# KiCad board iMX6_BareBones.kicad_pcb (continued)
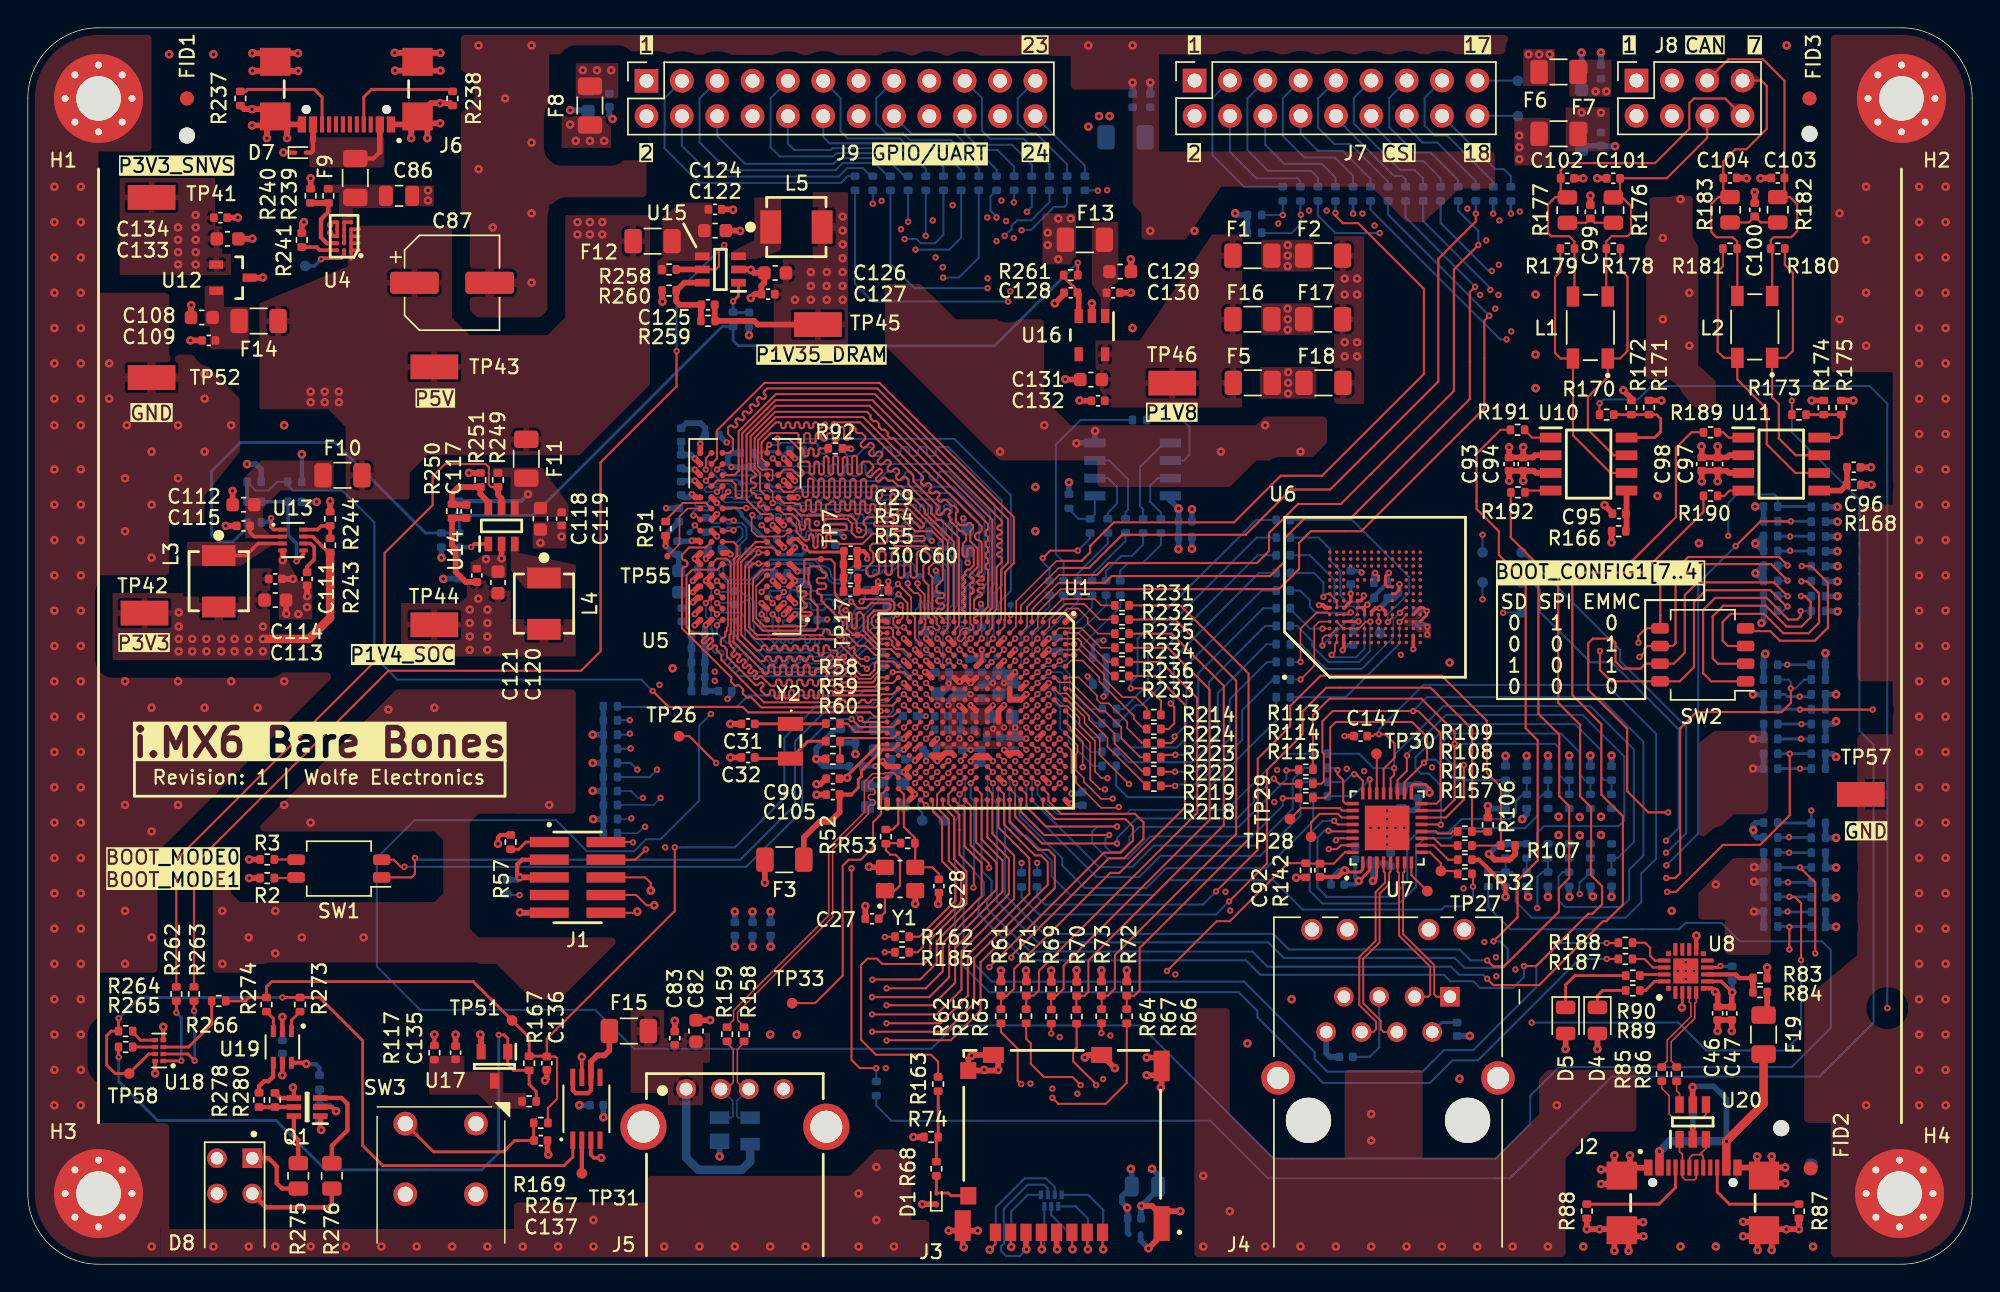
[diagram p0: board, top side]
## Routing (per net, layer and track width the routed paths; a pad name or vN(x,y) marks a point on that pad's centre or on a via; arc(x,y) is an arc through that point) (continued)
/Signal_Map/Ethernet/PHYAD0: length 26.3
  Top w0.143: v1(101.52,31.6) 101.5,31.62 U7.13
  Bottom w0.143: 101.45,31.67 v1(101.52,31.6) 101.52,34.42 100.66,35.28 100.1,35.28 99.69,35.69 99.69,36.42 102.11,38.84 111.15,38.84 113.03,36.96 113.03,35.03 113.26,34.8 R125.2 R124.1
/Signal_Map/Ethernet/PHYAD1: length 23.1
  Top w0.143: v1(103.17,35.89) 103.17,33.4 101.89,32.12 U7.14
  Bottom w0.143: R126.1 R127.2 111.89,34.8 111.51,35.18 111.51,36.8 110.16,38.15 102.23,38.15 101.52,37.44 101.52,36.75 102.39,35.89 v1(103.17,35.89)
/Signal_Map/Ethernet/RJ45_CRD: length 5.8
  Bottom w0.152: C74.1 96.42,14.91 97.09,15.59 97.09,19.23
/Signal_Map/Ethernet/RJ45_CTD: length 2.1
  Bottom w0.203: J4.2 101.58,17.37 C73.1
/Signal_Map/Ethernet/RMII_MDC: length 2.7
  Top w0.143: R109.1 102.39,31.11 102.23,30.96 101.32,30.96 101.16,31.12 U7.12
/Signal_Map/Ethernet/RMII_MDIO: length 2.8
  Top w0.143: U7.11 101.03,30.62 101.55,30.1 R108.1
/Signal_Map/Ethernet/RMII_RXD0/DUPLEX: length 60.1
  Top w0.143: U7.16 101.22,33.12 101.5,33.4 101.5,38.18 99.9,39.78 v1(99.54,39.78) 93.75,39.78 93.01,39.04 93.01,36.8 93.12,36.7 93.12,34.72 92.94,34.54 R114.1
  Bottom w0.143: v1(99.54,39.78) 100.53,40.77 112.88,40.77 116.08,37.57 116.08,29.39 115.06,28.37 115.06,26.24 114.5,25.68 110.44,25.68 109.98,26.14 109.98,27.89 110.29,28.19 R135.2 R134.1
/Signal_Map/Ethernet/RMII_RXD1/PHYAD2: length 34.6
  Top w0.143: R113.1 92.33,39.47 93.52,40.67 100.13,40.67 102.51,38.28 v1(102.51,37.41) 102.51,33.4 101.73,32.62 U7.15
  Bottom w0.143: R128.1 R129.2 110.41,34.8 110.01,35.2 110.01,37.13 109.73,37.41 v1(102.51,37.41)
/Signal_Map/Ethernet/RMII_RXDV/CONFIG2: length 26
  Top w0.143: R115.1 93.22,33.53 93.57,33.88 93.57,38.58 93.98,38.99 99.47,38.99 100.53,37.92 100.53,36.27 v1(100.32,36.06) 98.91,34.65 U7.18
  Bottom w0.152: v1(100.32,36.06) 100.53,36.27 101.14,36.27 102.61,34.8 R123.2 R122.1
/Signal_Map/Ethernet/RMII_RXER/ISO: length 37.8
  Top w0.143: U7.20 97.91,34.92 98.17,35.18 v1(98.17,35.66)
  Bottom w0.143: R116.1 95.66,36.7 96.7,35.66 v1(98.17,35.66) 98.17,36.6 101.7,40.13 112.27,40.13 115.39,37.01 115.39,30.35 114.25,29.21 R130.1 R131.2
/Signal_Map/Ethernet/RMII_TXD0: length 3.9
  Top w0.143: v1(95.3,35.23) 95.45,35.23 95.91,34.77 U7.24
  Bottom w0.143: v1(95.3,35.23) 95.15,35.23 94.59,34.67 R111.1
/Signal_Map/Ethernet/RMII_TXD1: length 4
  Top w0.143: v1(94.11,35.53) 94.11,35.2 94.51,34.8 94.51,33.27 94.67,33.12 U7.25
  Bottom w0.143: v1(94.11,35.53) 93.98,35.66 93.4,35.66 R110.1
/Signal_Map/Ethernet/RMII_TXEN: length 4.5
  Top w0.143: v1(96.42,34.85) 96.41,34.85 U7.23
  Bottom w0.143: v1(96.42,34.85) 95.22,33.66 R112.1
/Signal_Map/Ethernet/~{ENET1_INT}: length 56.7
  Top w0.143: U7.21 97.41,35.61 98.2,36.4 98.2,37.44 97.54,38.1 v1(97.08,38.1) 96.77,38.1 96.65,37.97 C147.1
  Bottom w0.143: R141.2 106.63,28.19 106.91,27.91 106.91,26.06 108.05,24.92 114.81,24.92 115.93,26.03 115.93,28.09 116.99,29.16 116.99,38.13 113.46,41.66 100.28,41.66 97.08,38.46 v1(97.08,38.1) ; R141.2 R140.1 ; R141.2 104.95,28.19 R99.1
/Signal_Map/Ethernet/~{ENET1_RST}: length 40.4
  Top w0.143: R162.2 v1(61.57,22.43) ; v1(81.84,21.08) 85.42,24.66 86.36,24.66 90.53,28.83 R142.1 91.85,28.8 C92.1 93.83,28.8 94.64,29.62 U7.32
  In3.Cu w0.143: v1(61.57,22.43) 61.57,21.97 61.9,21.64 64.92,21.64 66.93,23.65 79.27,23.65 v1(81.84,21.08)
/Signal_Map/Headers/CAM_PD: length 2.9
  Bottom w0.143: J7.17 107.04,85.11 TP66.1
/Signal_Map/Headers/CAM_RT: length 2.9
  Bottom w0.143: TP65.1 107.04,82.57 J7.18
/Signal_Map/Headers/CSI_DATA00_R: length 10.7
  Bottom w0.143: J7.15 100.36,83.86 100.36,81.87 101.08,81.15 101.98,81.15 105.29,77.84 R149.2
/Signal_Map/Headers/CSI_DATA01_R: length 7.5
  Bottom w0.143: R150.2 106.55,78.23 106.04,78.74 105.44,78.74 J7.16
/Signal_Map/Headers/CSI_DATA02_R: length 10.9
  Bottom w0.143: R151.2 102.77,77.95 100.79,79.93 99.64,79.93 97.82,81.76 97.82,83.86 J7.13
/Signal_Map/Headers/CSI_DATA03_R: length 8
  Bottom w0.143: J7.14 99.07,81.78 100.2,80.65 101.27,80.65 104.03,77.88 R152.2 103.81,77.47
/Signal_Map/Headers/CSI_DATA04_R: length 10.8
  Bottom w0.143: J7.11 95.28,83.86 95.28,82.02 98.6,78.69 99.64,78.69 100.25,78.08 R153.2
/Signal_Map/Headers/CSI_DATA05_R: length 7.8
  Bottom w0.143: R154.2 101.51,78.07 100.25,79.32 99.24,79.32 96.53,82.03 J7.12
/Signal_Map/Headers/CSI_DATA06_R: length 10.9
  Bottom w0.143: J7.9 92.71,83.83 92.71,81.71 93.88,80.54 95.02,80.54 97.73,77.83 R155.2
/Signal_Map/Headers/CSI_DATA07_R: length 7.5
  Bottom w0.143: R156.2 98.99,78 98.73,78.26 98.15,78.26 93.99,82.41 J7.10
/Signal_Map/Headers/CSI_HSYNC_R: length 12.1
  Bottom w0.143: R148.2 92.69,78.12 92.2,78.61 89.13,78.61 87.63,80.11 87.63,83.83 J7.5
/Signal_Map/Headers/CSI_MCLK_R: length 11.5
  Bottom w0.143: R145.2 95.21,78.27 93.9,79.58 91.72,79.58 90.17,81.13 90.17,83.83 J7.7
/Signal_Map/Headers/CSI_PIXCLK_R: length 8.2
  Bottom w0.143: R146.2 96.47,78.05 94.46,80.06 92.68,80.06 91.45,81.3 J7.8
/Signal_Map/Headers/CSI_VSYNC_R: length 8.8
  Bottom w0.143: J7.6 88.91,80.48 90.27,79.12 92.96,79.12 93.95,78.13 R147.2
/Signal_Map/Headers/I2C3_SCL: length 203.2
  Top w0.143: U1.C17 72.94,32.87 73.81,32 78.87,32 79.4,31.47 79.4,30.45 78.54,29.59 77.32,29.59 v1(69.09,21.36)
  In3.Cu w0.143: v1(91.47,75.46) 91.47,76.1 89.99,77.57 80.47,77.57 77.98,80.06 59.46,80.06 57.94,78.54 34.75,78.54 28.96,72.75 28.96,64.97 26.75,62.76 26.75,39.01 22.28,34.54 22.28,20.45 27.97,14.76 35.23,14.76 36.25,15.77 41.48,15.77 42.44,14.81 62.92,14.81 63.7,15.6 63.7,15.98 v1(69.09,21.36)
  Bottom w0.143: R270.2 91.43,75.5 v1(91.47,75.46) 91.47,74.8 90.81,74.14 88.68,74.14 R272.1
/Signal_Map/Headers/I2C3_SCL_R: length 8.9
  Bottom w0.143: J7.4 86.37,79.97 88.26,78.08 91.21,78.08 91.43,77.86 R270.1
/Signal_Map/Headers/I2C3_SDA: length 198.2
  Top w0.143: v1(70.66,22.05) 70.66,22.17 77.67,29.18 78.77,29.18 80.16,30.58 80.16,31.78 79.55,32.39 74.24,32.39 73.33,33.29 73.33,33.8 U1.C16
  In3.Cu w0.143: v1(90.17,75.44) 89.1,76.5 80.16,76.5 77.39,79.27 60.12,79.27 58.62,77.77 35.81,77.77 30,71.96 30,64.36 27.84,62.2 27.84,38.38 23.16,33.71 23.16,20.93 28.63,15.47 34.42,15.47 35.48,16.54 43.71,16.54 44.88,15.37 62.43,15.37 62.92,15.85 62.92,16.46 68.91,22.45 70.26,22.45 v1(70.66,22.05)
  Bottom w0.143: v1(90.17,75.44) R271.1 ; v1(90.17,75.44) R269.2 ; v1(90.17,75.44) 90.17,75.43
/Signal_Map/Headers/I2C3_SDA_R: length 11.9
  Bottom w0.143: J7.3 85.12,83.86 85.12,79.73 87.38,77.47 R269.1
/Signal_Map/Headers/IMX6_GPIO_0_R: length 10.8
  Bottom w0.143: J9.19 68.55,83.85 68.55,81.51 69.14,80.92 71.55,80.92 73.41,79.07 R143.2
/Signal_Map/Headers/IMX6_GPIO_1_R: length 7.8
  Bottom w0.143: R144.2 72.14,79.07 70.71,80.49 68.15,80.49 67.31,81.33 J9.20
/Signal_Map/Headers/IMX6_GPIO_2_R: length 9.2
  Bottom w0.143: R160.2 74.68,79.07 72.44,81.31 71.86,81.31 71.12,82.04 71.12,83.82 J9.23
/Signal_Map/Headers/IMX6_GPIO_3_R: length 5.8
  Bottom w0.143: J9.24 75.95,78.99 R161.2
/Signal_Map/Headers/IMX6_UART2_RX_DATA_R: length 16.7
  Bottom w0.143: J9.6 49.53,81.13 51.54,79.12 57.89,79.12 58.29,79.53 61.7,79.53 62.99,78.23 R195.1
/Signal_Map/Headers/IMX6_UART2_TX_DATA_R: length 17.3
  Bottom w0.143: J9.4 46.99,80.42 49.2,78.21 58.27,78.21 58.88,78.82 59.99,78.82 60.58,78.23 R196.1
/Signal_Map/Headers/IMX6_UART3_RX_DATA_R: length 17.8
  Bottom w0.143: J9.9 53.37,83.85 53.37,80.31 54.03,79.65 57.89,79.65 58.12,79.88 61.93,79.88 62.76,79.04 64.24,79.04 64.52,78.77 R197.1
/Signal_Map/Headers/IMX6_UART3_TX_DATA_R: length 15.7
  Bottom w0.143: R198.1 68.33,78.79 67.89,79.22 67.26,79.22 66.12,80.37 63.25,80.37 62.66,80.95 58.9,80.95 58.39,81.46 58.39,83.85 J9.11
/Signal_Map/Headers/IMX6_UART4_RX_DATA_R: length 14.6
  Bottom w0.143: J9.10 54.61,80.57 55.07,80.11 57.68,80.11 57.81,80.24 62.18,80.24 62.94,79.48 65.2,79.48 65.79,78.89 R199.1
/Signal_Map/Headers/IMX6_UART4_TX_DATA_R: length 12.8
  Bottom w0.143: R200.1 67.06,78.69 65.84,79.91 63.09,79.91 62.41,80.59 57.61,80.59 57.15,81.05 J9.12
/Signal_Map/Headers/IMX6_UART5_RX_DATA_R: length 14.1
  Bottom w0.143: J9.15 60.96,83.82 60.96,82.02 61.67,81.31 62.89,81.31 63.37,80.82 66.34,80.82 67.46,79.71 68.61,79.71 69.6,78.71 R201.1
/Signal_Map/Headers/IMX6_UART5_TX_DATA_R: length 10.8
  Bottom w0.143: R202.1 70.87,78.92 69.67,80.11 67.79,80.11 66.62,81.28 63.5,81.28 J9.16
/Signal_Map/Headers/~{IMX6_UART1_CTS_R}: length 20.3
  Bottom w0.143: R193.1 58.91,78.24 58.42,77.75 48.23,77.75 45.75,80.24 45.75,83.85 J9.3
/Signal_Map/Headers/~{IMX6_UART1_RTS_R}: length 20.1
  Bottom w0.143: J9.5 48.26,83.82 48.26,80.67 50.27,78.66 58.04,78.66 58.55,79.17 60.86,79.17 61.8,78.23 R194.1
/Signal_Map/iMX6_Control/IMX6_XTALO_R: length 8.2
  Top w0.152: R53.1 61.69,30.28 R52.1 61.65,29.76 61.98,29.44 62.36,29.44 62.66,29.13 62.66,27.23 62.29,26.86 Y1.1 61.58,25.28 C27.1
/Signal_Map/iMX6_Control/JTAG_MOD: length 33.3
  Top w0.114: U1.P15 v1(63.74,34.59)
  In3.Cu w0.143: v1(35.33,26.54) 37.13,28.35 47.29,28.35 48.69,29.74 53.01,29.74 54.66,31.39 59.49,31.39 62.05,33.96 63.09,33.96 63.72,34.59 v1(63.74,34.59)
  Bottom w0.143: R56.2 34.47,26.62 34.47,26.62 34.47,26.62 34.54,26.54 v1(35.33,26.54)
/Signal_Map/iMX6_Control/ONOFF: length 5.5
  Top w0.152: U1.R8 v1(62.94,40.99)
  Bottom w0.152: v1(62.94,40.99) 62.18,40.22 62.18,39.78 61.7,39.29 60.54,39.29 60.15,38.9 60.15,38.68 59.95,38.48 R282.2
/Signal_Map/iMX6_Control/RTC_XTALI: length 5.7
  Top w0.152: R60.2 R59.2 58.57,37.82 62.18,37.82 U1.T11
/Signal_Map/iMX6_Control/RTC_XTALI_R: length 5.7
  Top w0.203: C32.1 52.31,36.35 Y2.2 56.05,37.6 R59.1
/Signal_Map/iMX6_Control/RTC_XTALO: length 3.7
  Top w0.152: R58.2 58.87,38.87 59.46,38.28 61.65,38.28 U1.U11
/Signal_Map/iMX6_Control/RTC_XTALO_R: length 5.1
  Top w0.203: R58.1 57.31,38.85 Y2.1 52.23,38.85 C31.1
/Signal_Map/iMX6_Control/SNVS_TAMPER0: length 23.9
  Top w0.114: v1(62.94,38.59) U1.R10
  In3.Cu w0.114: v1(62.94,38.59) 62.51,38.59 61.19,37.26 60.3,37.26
  In3.Cu w0.152: v1(45.47,33.53) 45.97,33.02 51.33,33.02 55.58,37.26 60.3,37.26
  Bottom w0.114: R94.2 44.96,33.02 v1(45.47,33.53)
/Signal_Map/iMX6_Control/SNVS_TAMPER1: length 23.3
  Top w0.152: U1.R9 v1(62.94,40.19)
  In3.Cu w0.114: v1(62.94,40.19) 60.99,40.19 60.48,39.67 59,39.67 58.9,39.57 58.7,39.57
  In3.Cu w0.152: v1(43.79,35.56) 44.2,35.56 45.39,36.75 49.02,36.75 49.43,37.16 50.9,37.16 53.31,39.57 58.7,39.57
  Bottom w0.152: v1(43.79,35.56) 43.31,36.04 R95.2
/Signal_Map/iMX6_Control/SNVS_TAMPER2: length 24.7
  Top w0.152: U1.P11 v1(63.74,37.79)
  In3.Cu w0.114: 61.34,36.83 62.69,38.18 63.35,38.18 v1(63.74,37.79)
  In3.Cu w0.152: v1(43.36,32.05) 51.36,32.05 54.97,35.66 57.51,35.66 57.81,35.97 60.3,35.97 61.16,36.83 61.34,36.83
  Bottom w0.114: v1(43.36,32.05) 43.31,32 R96.2
/Signal_Map/iMX6_Control/SNVS_TAMPER3: length 24.9
  Top w0.152: U1.P10 v1(63.74,38.59)
  In3.Cu w0.114: 60.32,37.67 60.76,37.67 62.31,39.22 63.37,39.22 63.74,38.85 v1(63.74,38.59)
  In3.Cu w0.152: 60.32,37.67 55.12,37.67 51.49,34.04 44.7,34.04 v1(44.2,33.53)
  Bottom w0.114: R97.2 43.34,34.02 43.84,33.53 v1(44.2,33.53)
/Signal_Map/iMX6_Control/SNVS_TAMPER4: length 24.3
  Top w0.152: U1.P9 v1(63.74,40.19)
  In3.Cu w0.114: 61.11,40.92 61.29,41.1 62.18,41.1 62.68,40.6 63.21,40.6 63.62,40.19 v1(63.74,40.19)
  In3.Cu w0.152: v1(43.31,37.08) 43.89,37.67 50.39,37.67 51.31,38.58 51.31,39.09 52.27,40.06 60.25,40.06 61.11,40.92
  Bottom w0.114: 43.28,37.06 v1(43.31,37.08)
  Bottom w0.152: R98.2 43.28,37.06
/Signal_Map/iMX6_Control/SNVS_TAMPER5: length 208.9
  Top w0.152: U1.N8 v3(64.54,40.99)
  In3.Cu w0.114: 59.64,41 60.45,41.81 60.71,41.81 60.93,42.04 62.2,42.04 62.36,42.19 63.09,42.19 63.33,41.95 63.33,41.65 63.6,41.38 64.16,41.38 64.54,41 v3(64.54,40.99)
  In3.Cu w0.152: 59.64,41 59.46,40.82 51.49,40.82 50.67,40 49.52,40 v1(49.07,39.56)
  Bottom w0.143: R99.2 104.93,25.68 106.53,24.08 118.64,24.08 119.13,24.56 119.15,24.54 121.69,24.54 123.01,23.22 128.91,23.22 129.54,22.58 129.54,16.99 126.72,14.17 110.01,14.17 107.95,12.12 107.95,10.08 105.46,7.59 89.51,7.59 79.93,17.17 66.6,17.17 64.92,15.49 43.56,15.49 40.77,18.29 28.19,18.29 25.07,21.41 25.07,29.21 27.79,31.93 37.95,31.93 40.18,29.69 43.56,29.69 44.42,30.56 45.47,30.56 48.23,33.32 48.23,38.72 v1(49.07,39.56)
/Signal_Map/iMX6_Control/SNVS_TAMPER6: length 27.2
  Top w0.152: U1.N11 v1(64.54,37.79)
  In3.Cu w0.114: v1(64.54,37.79) 64.15,37.4 62.72,37.4 61.8,36.47 61.8,35.76 61.24,35.2 60.53,35.2 60.35,35.38
  In3.Cu w0.152: 60.35,35.38 60.15,35.59 58.5,35.59 57.76,34.85 57.76,33.38 57.35,32.97 53.54,32.97 51.99,31.42 44.37,31.42 v1(44.35,31.45)
  Bottom w0.114: R100.2 43.79,30.99 44.25,31.45 v1(44.35,31.45)
/Signal_Map/iMX6_Control/SNVS_TAMPER7: length 25.5
  Top w0.152: U1.N10 v3(64.54,38.59)
  In3.Cu w0.114: v3(64.54,38.59) 64.54,38.63 63.53,39.65 62.13,39.65 60.66,38.18 60.22,38.18
  In3.Cu w0.152: v1(45.21,35.56) 45.67,35.1 51.64,35.1 54.71,38.18 60.22,38.18
  Bottom w0.152: R101.2 44.68,35.03 v1(45.21,35.56)
/Signal_Map/iMX6_Control/SNVS_TAMPER8: length 25.1
  Top w0.152: U1.N9 v1(64.54,40.19)
  In3.Cu w0.114: v1(64.54,40.19) 64.54,40.21 64.16,40.59 63.59,40.59 63.35,40.83 63.35,41.13 63.08,41.4 62.77,41.4 62.46,41.71 61.14,41.71 60.93,41.5
  In3.Cu w0.152: v1(43.26,38.15) 43.74,38.63 49.05,38.63 49.99,39.57 50.93,39.57 51.82,40.46 59.89,40.46 60.93,41.5
  Bottom w0.152: R102.2 43.18,38.07 v1(43.26,38.15)
/Signal_Map/iMX6_Control/SNVS_TAMPER9: length 22.2
  Top w0.152: U1.R6 62.96,42.57 v1(62.14,42.57)
  Bottom w0.152: v1(62.14,42.57) 62.13,42.57 60.83,41.28 60.1,41.28 59.72,40.89 51.77,40.89 50.94,40.07 42.43,40.07 R103.2
/Signal_Map/iMX6_Control/TEST_MODE: length 24.9
  Top w0.152: U1.N7 v1(64.54,41.79)
  In3.Cu w0.114: v1(64.54,41.79) 64.15,42.18 63.53,42.18 62.64,43.08 61.37,43.08 60.47,42.18 60.04,42.18 59.82,41.96
  In3.Cu w0.152: 59.82,41.96 59.11,41.25 49.86,41.25 47.73,39.12 v1(43.26,39.12)
  Bottom w0.152: v1(43.26,39.12) 42.39,39.12 R104.2
/Signal_Map/iMX6_Control/XTALI: length 8.4
  Top w0.152: U1.T16 62.94,33.79 62.94,31.45 63.73,30.66 R53.2 63.76,30.25 Y1.3 64.99,28.54 65.46,28.06 C28.1
/Signal_Map/iMX6_Control/XTALO: length 2.8
  Top w0.152: R52.2 62.14,31.26 62.54,31.66 U1.T17
/Signal_Map/iMX6_Control/~{PB_POR}: length 11.7
  Top w0.203: R267.1 36.35,8.92 C137.2 34.98,8.89 34.16,8.08 29.15,8.08 SW3.3
/Signal_Map/iMX6_CSI_LCD/CSI_DATA00: length 55
  Top w0.114: U1.E4 v1(71.74,44.19)
  In3.Cu w0.114: v1(71.74,44.19) 71.35,44.58 71.35,45.73 72.09,46.46 72.09,46.86 73.51,48.29 73.81,48.29 74.09,48.56 77.42,48.56 77.67,48.82 77.75,48.82
  In3.Cu w0.152: 77.75,48.82 87.66,48.82 101.93,63.09 101.93,71.93 105.28,75.29 v1(105.28,75.54)
  Bottom w0.203: v1(105.28,75.54) 105.29,75.55 R149.1
/Signal_Map/iMX6_CSI_LCD/CSI_DATA01: length 55
  Top w0.114: U1.E3 v1(71.74,44.99)
  In3.Cu w0.114: 76.12,47.85 76,47.73 73.66,47.73 72.85,46.91 72.85,46.74 71.74,45.63 v1(71.74,44.99)
  In3.Cu w0.152: v1(106.55,75.54) 106.55,74.14 103.05,70.64 103.05,62.51 88.52,47.98 77.57,47.98 77.44,47.85 76.12,47.85
  Bottom w0.203: R150.1 v1(106.55,75.54)
/Signal_Map/iMX6_CSI_LCD/CSI_DATA02: length 54.9
  Top w0.114: 74.37,49.56 74.09,49.56 71.8,47.26 71.8,45.84 U1.E2
  Top w0.152: 74.37,49.56 76.81,49.56 77.67,50.42 88.32,50.42 89.18,51.28 89.18,52.58 91.26,54.66 94.34,54.66 102.46,62.79 102.46,71.53 v1(104.22,73.28)
  Bottom w0.152: v1(104.22,73.28) 104.22,74.3 102.77,75.74 R151.1
/Signal_Map/iMX6_CSI_LCD/CSI_DATA03: length 51.9
  Top w0.114: 74.32,50.06 74.07,50.06 71.34,47.34 U1.E1
  Top w0.152: 74.32,50.06 76.25,50.06 78.64,52.45 87.5,52.45 90.75,55.7 93.57,55.7 101.35,63.47 101.35,72.29 104.04,74.98 v1(104.04,75.54)
  Bottom w0.152: v1(104.04,75.54) 104.04,76.44 R152.1
/Signal_Map/iMX6_CSI_LCD/CSI_DATA04: length 57.8
  Top w0.114: U1.D4 v1(72.54,44.19)
  In3.Cu w0.114: v1(72.54,44.19) 72.15,44.58 72.15,45.56 73.84,47.24 76.15,47.24
  In3.Cu w0.152: v1(105.08,70.05) 105.08,69.47 104.17,68.55 104.17,61.98 89.33,47.14 76.25,47.14 76.15,47.24
  Bottom w0.152: v1(105.08,70.05) 105.08,70.18 100.25,75.01 R153.1
/Signal_Map/iMX6_CSI_LCD/CSI_DATA05: length 57.6
  Top w0.114: U1.D3 v1(72.54,44.99)
  In3.Cu w0.114: 75.29,46.1 73.23,46.1 72.54,45.41 v1(72.54,44.99)
  In3.Cu w0.152: v1(105.18,71.42) 106.2,70.41 106.2,68 105.31,67.11 105.31,61.85 89.87,46.41 76.56,46.41 76.25,46.1 75.29,46.1
  Bottom w0.152: R154.1 101.51,74.87 104.95,71.42 v1(105.18,71.42)
/Signal_Map/iMX6_CSI_LCD/CSI_DATA06: length 59
  Top w0.114: U1.D2 72.57,45.81 72.57,46.89 74.22,48.54 74.47,48.54
  Top w0.152: v1(105,68.2) 104.65,67.84 104.65,61.54 95.81,52.7 92.18,52.7 91.34,51.87 91.34,49.99 89.89,48.54 74.47,48.54
  Bottom w0.152: R155.1 97.73,75.47 v1(105,68.2)
/Signal_Map/iMX6_CSI_LCD/CSI_DATA07: length 56.1
  Top w0.114: 74.47,49 74.07,49 72.14,47.07 U1.D1
  Top w0.152: v1(103.99,70.28) 103.61,69.9 103.61,62.2 95.05,53.64 91.74,53.64 90.32,52.22 90.32,50.55 89.26,49.48 77.88,49.48 77.39,49 74.47,49
  Bottom w0.152: v1(103.99,70.28) 98.99,75.28 R156.1
/Signal_Map/iMX6_CSI_LCD/CSI_HSYNC: length 56.9
  Top w0.114: U1.F3 v1(70.94,44.99)
  In3.Cu w0.114: v1(70.94,44.99) 70.94,45.8 71.68,46.53 71.68,47.09 73.74,49.15 77.19,49.15 77.7,49.66 78.16,49.66
  In3.Cu w0.152: v1(97.13,74.14) 100.76,70.51 100.76,63.73 86.74,49.71 79.35,49.71 79.3,49.66 78.16,49.66
  Bottom w0.152: R148.1 92.69,75.41 93.95,74.14 v1(97.13,74.14)
/Signal_Map/iMX6_CSI_LCD/CSI_MCLK: length 54.7
  Top w0.114: U1.F5 v1(70.94,43.39)
  In3.Cu w0.114: v1(70.94,43.39) 70.55,43.78 70.55,45.94 71.3,46.69 71.3,47.65 73.46,49.81 76.78,49.81 77.52,50.55 77.98,50.55
  In3.Cu w0.152: 77.98,50.55 86,50.55 99.75,64.29 99.75,70.26 95.22,74.78 v1(95.22,75.54)
  Bottom w0.203: v1(95.22,75.54) 95.21,75.55 R145.1
/Signal_Map/iMX6_CSI_LCD/CSI_PIXCLK: length 62.5
  Top w0.114: U1.E5 v1(71.74,43.39)
  In3.Cu w0.114: 75.39,45.62 73.28,45.62 72.95,45.29 72.95,44.05 72.69,43.79 72.14,43.79 v1(71.74,43.39)
  In3.Cu w0.152: 75.41,45.64 90.04,45.64 106.45,62.05 106.45,66.29 v1(106.25,66.5)
  Bottom w0.152: v1(106.25,66.5) 105.79,66.5 96.47,75.82 R146.1
/Signal_Map/iMX6_CSI_LCD/CSI_VSYNC: length 54.5
  Top w0.114: 74.24,50.57 73.91,50.57 71.02,47.68 71.02,46.55 70.99,46.52 70.99,45.84 U1.F2
  Top w0.152: v1(93.95,75.59) 93.95,75.39 94.49,74.85 95.58,74.85 100.3,70.13 100.3,64.01 92.99,56.69 90.02,56.69 86.66,53.34 78.03,53.34 76.33,51.64 76.33,51.18 75.72,50.57 74.24,50.57
  Bottom w0.152: v1(93.95,75.59) 93.95,76.45 R147.1
/Signal_Map/iMX6_DDR3L/DRAM_CKE0: length 35
  Top w0.143: v1(47.81,53.83) 48.02,53.83 U5.K9 ; U1.M3 v1(65.34,44.99)
  Bottom w0.114: 65.83,46.81 65.81,46.81 65.6,46.6 65.33,46.6 65.24,46.52 65.24,46.07 arc(65.28,45.98) 65.37,45.94 arc(65.46,45.91) 65.49,45.82 65.49,45.56 arc(65.46,45.47) 65.37,45.43 arc(65.28,45.4) 65.24,45.31 65.24,45.08 v1(65.34,44.99) 65.23,45.1 ; v1(47.81,53.83) 47.92,53.94 ; 52.23,54.77 50.1,54.77 49.74,55.13 49.29,55.13 49.28,55.12
  Bottom w0.143: 65.83,46.81 65.89,46.87 65.89,46.88 66.47,47.45 66.47,50.16 65.77,50.86 65.77,50.96 arc(65.74,51.04) 65.66,51.08 65.63,51.08 arc(65.55,51.11) 65.52,51.19 65.52,51.25 arc(65.55,51.33) 65.63,51.36 65.87,51.36 arc(65.94,51.39) 65.97,51.46 65.97,51.55 arc(65.94,51.62) 65.87,51.65 65.53,51.65 arc(65.45,51.68) 65.42,51.76 65.42,51.82 arc(65.45,51.9) 65.53,51.93 65.66,51.93 arc(65.74,51.97) 65.77,52.05 R281.1 65.77,53.43 65.59,53.61 65.38,53.61 arc(65.28,53.57) 65.24,53.47 65.24,53.38 arc(65.2,53.29) 65.11,53.25 65.04,53.25 arc(64.94,53.29) 64.9,53.38 64.9,53.47 arc(64.86,53.57) 64.77,53.61 64.7,53.61 arc(64.6,53.57) 64.56,53.47 64.56,53.43 arc(64.52,53.34) 64.43,53.3 64.36,53.3 arc(64.26,53.34) 64.22,53.43 64.22,53.47 arc(64.18,53.57) 64.09,53.61 63.99,53.61 63.33,54.27 53.19,54.27 52.97,54.49 52.97,54.68 52.87,54.77 52.23,54.77 ; v1(47.81,53.83) 47.81,54.11 47.9,54.2 48.84,54.2 48.95,54.31 48.95,54.38 arc(48.91,54.46) 48.83,54.5 48.06,54.5 arc(47.98,54.53) 47.95,54.61 47.95,54.67 arc(47.98,54.75) 48.06,54.78 48.83,54.78 arc(48.91,54.81) 48.95,54.9 48.95,54.99 49.07,55.12 49.28,55.12
/Signal_Map/iMX6_DDR3L/DRAM_CKE1: length 1.4
  Top w0.143: U1.J3 v1(68.54,44.99)
  Bottom w0.143: 68.56,45.01 v1(68.54,44.99) 68.54,45.77 R256.1
/Signal_Map/iMX6_DDR3L/DRAM_ZQPAD: length 3.5
  Top w0.143: U1.N4 v1(64.54,44.19)
  Bottom w0.114: 64.55,46.65 64.01,46.11 64.01,44.97 64.52,44.46 64.52,44.46 64.52,44.21 v1(64.54,44.19)
  Bottom w0.143: v1(64.54,44.19) 64.47,44.19
/Signal_Map/iMX6_Ethernet_USB/USB1_R_DN: length 24.6
  Top w0.109: U1.T15 62.2,35.33 61.6,35.33 61.55,35.27 60.7,35.27 60.11,34.68 60.11,32.49 57.54,29.93 57.54,25.08 50.71,18.25 50.71,17.56 50.24,17.1 R159.1
/Signal_Map/iMX6_Ethernet_USB/USB1_R_DP: length 24.6
  Top w0.109: R158.1 51.46,17.1 50.99,17.56 50.99,18.13 57.83,24.96 57.83,29.81 60.39,32.38 60.39,32.85 arc(60.44,32.96) 60.55,33.01 60.73,33.01 arc(60.84,33.05) 60.88,33.16 60.88,33.24 arc(60.84,33.35) 60.73,33.39 60.55,33.39 arc(60.44,33.44) 60.39,33.55 60.39,33.62 arc(60.44,33.73) 60.55,33.78 60.73,33.78 arc(60.84,33.82) 60.88,33.93 60.88,34.01 arc(60.84,34.12) 60.73,34.16 60.55,34.16 arc(60.44,34.21) 60.39,34.32 60.39,34.56 60.82,34.99 U1.U15
/Signal_Map/iMX6_GPIO_UART/IMX6_FLEXCAN1_RX: length 85.5
  Top w0.114: U1.G14 v1(70.14,35.39)
  Top w0.152: v1(104.85,21.84) 105.28,21.41 106.07,21.41 110.01,25.35 110.01,27.03 110.74,27.76 110.74,32.94 110.03,33.66 110.03,38.07 108.53,39.57 108.53,50.27 106.55,52.25 R192.2
  Bottom w0.114: v1(70.14,35.39) 69.73,34.98 69.73,33.97 69.72,33.96 69.72,33.63
  Bottom w0.152: v1(104.85,21.84) 103.66,21.84 102.87,22.63 90.6,22.63 89.48,23.75 73,23.75 70.21,26.54 70.21,33.15 69.72,33.63
/Signal_Map/iMX6_GPIO_UART/IMX6_FLEXCAN1_TX: length 91.6
  Top w0.114: U1.H15 v1(69.34,34.59)
  Top w0.143: 105.38,59.56 105.82,59.99 R191.2
  Top w0.152: v1(105.31,23.22) 107.04,24.94 107.04,27.58 108.48,29.03 108.48,37.67 107.62,38.53 107.62,49.07 105.69,51 105.69,52.7 104.09,54.31 104.09,58.27 105.38,59.56
  Bottom w0.114: 69.34,33.53 v1(69.34,34.59)
  Bottom w0.152: v1(105.31,23.22) 105.77,23.22 106.32,22.66 106.32,21.72 105.92,21.31 103.23,21.31 102.51,22.02 90.25,22.02 89.13,23.14 72.57,23.14 69.62,26.09 69.62,33.15 69.34,33.43 69.34,33.53
/Signal_Map/iMX6_GPIO_UART/IMX6_FLEXCAN2_RX: length 98.8
  Top w0.114: U1.H14 v1(69.34,35.39)
  Top w0.152: R190.2 120.39,54.1 116.03,49.73 111.81,49.73 110.97,48.89 110.97,40.92 113.06,38.84 113.06,33.76 114.6,32.21 114.6,25.86 113.41,24.66 113.18,24.66 108.59,20.07 105.31,20.07 v1(104.85,20.52)
  Bottom w0.114: v1(69.34,35.39) 69.06,35.11 69.06,34.9 68.95,34.79 68.95,33.62 68.58,33.25 68.58,33.02
  Bottom w0.152: 68.58,33.02 68.58,32.69 68.53,32.64 68.53,28.3 69.24,27.58 69.24,26.44 68.91,26.11 68.91,25.58 72.01,22.48 87.99,22.48 89.08,21.39 102.26,21.39 102.84,20.8 104.57,20.8 v1(104.85,20.52)
/Signal_Map/iMX6_GPIO_UART/IMX6_FLEXCAN2_TX: length 103.4
  Top w0.143: U1.J15 v1(67.74,34.59)
  Top w0.152: R189.2 119.53,59.82 118.41,58.7 118.41,53.72 115.19,50.5 110.39,50.5 109.96,50.06 109.96,40.36 111.53,38.79 111.53,33.63 112.32,32.84 112.32,27.97 113.11,27.18 113.11,25.88 112.42,25.2 112.12,25.2 108.36,21.44 v1(107.49,21.44)
  Bottom w0.152: v1(107.49,21.44) 107.49,20.65 106.71,19.86 104.34,19.86 103.86,20.35 102.21,20.35 101.75,20.8 88.57,20.8 87.53,21.84 71.65,21.84 68.3,25.2 68.3,26.14 68.71,26.54 68.71,27.48 68,28.19 68,33.3 67.74,33.55 v1(67.74,34.59)
/Signal_Map/iMX6_GPIO_UART/IMX6_GPIO_0: length 129.7
  Top w0.114: v1(67.03,36.2) 67.03,36.26 67.34,36.57 U1.K13
  In3.Cu w0.114: v1(67.03,36.2) 67.03,36.08 67.33,35.78 67.33,35.25 67.58,35 68.1,35 68.1,35 68.22,34.87 68.22,34.54
  In3.Cu w0.143: 68.22,34.54 68.22,31.75 65.84,29.36 64.82,29.36 61.85,26.39 55.63,26.39 53.92,24.69 49.58,24.69 47.65,22.76 34.01,22.76 31.47,25.3 31.47,32.31 43.56,44.4 43.56,57.38 47.62,61.44 68.71,61.44 69.95,62.69 69.95,68.66 69.72,68.88 69.72,72.77 70.18,73.23 v1(70.18,73.94)
  Bottom w0.143: R143.1 73.41,76.38 72.09,75.06 71.07,75.06 70.69,74.68 70.69,74.45 v1(70.18,73.94)
/Signal_Map/iMX6_GPIO_UART/IMX6_GPIO_1: length 120.4
  Top w0.143: U1.L15 v1(66.14,34.59)
  In3.Cu w0.114: v1(66.14,34.59) 66.14,33.1 66.14,32.31
  In3.Cu w0.143: 66.14,32.31 66.14,31.93 65.05,30.84 64.06,30.84 61.11,27.89 54.79,27.89 53.67,26.77 49.28,26.77 46.81,24.31 34.75,24.31 32.99,26.06 32.99,31.27 39.75,38.02 39.75,38.35 45.16,43.76 45.16,56.79 48.41,60.05 69.75,60.05 72.14,62.43 72.14,75.31 v1(71.78,75.67)
  Bottom w0.143: v1(71.78,75.67) 72.14,76.02 R144.1
/Signal_Map/iMX6_GPIO_UART/IMX6_GPIO_2: length 124.9
  Top w0.143: v1(66.14,35.31) 66.14,35.39 U1.L14
  In3.Cu w0.114: v1(66.14,35.31) 66.22,35.31 66.55,34.98 66.55,33.05
  In3.Cu w0.143: v1(71.4,74.35) 71.4,62.46 69.42,60.48 48.11,60.48 44.63,57 44.63,43.94 32.51,31.83 32.51,25.78 34.52,23.77 47.12,23.77 49.71,26.37 54.08,26.37 55.07,27.36 61.32,27.36 64.31,30.35 65.28,30.35 66.55,31.62 66.55,33.05
  Bottom w0.143: v1(71.4,74.35) 71.4,74.37 72.09,74.37 73.74,76.02 74.47,76.02 74.68,76.23 R160.1
/Signal_Map/iMX6_GPIO_UART/IMX6_GPIO_3: length 141.7
  Top w0.143: U1.L17 66.96,32.97 67.21,32.97 67.31,32.87 67.31,30.05 68.53,28.83 68.53,26.47 65.3,23.24 65.3,21.67 64.11,20.47 60.71,20.47 v1(60.68,20.45)